# KiCad board oibus-mini-CCC_PANEL.kicad_pcb (continued)
## Routing (per net, layer and track width the routed paths; a pad name or vN(x,y) marks a point on that pad's centre or on a via; arc(x,y) is an arc through that point) (continued)
  Top w0.8: v4(38.6,33.81) 39.1,34.31 39.1,34.82 43.09,38.81 U2#2.17 ; v4(75.6,33.81) 76.1,34.31 76.1,34.82 80.09,38.81 U2#3.17 ; U2#4.17 117.09,38.81 113.1,34.82 113.1,34.31 v4(112.6,33.81) ; U2#6.17 154.09,38.81 150.1,34.82 150.1,34.31 v4(149.6,33.81) ; U2#5.17 191.09,38.81 187.1,34.82 187.1,34.31 v4(186.6,33.81) ; U2#7.17 228.09,38.81 224.1,34.82 224.1,34.31 v4(223.6,33.81) ; U2#8.17 265.09,38.81 261.1,34.82 261.1,34.31 v4(260.6,33.81) ; U2#13.17 80.09,104.81 76.1,100.82 76.1,100.31 v4(75.6,99.81) ; v4(1.6,99.81) 2.1,100.31 2.1,100.82 6.09,104.81 U2#9.17 ; U2#12.17 43.09,104.81 39.1,100.82 39.1,100.31 v4(38.6,99.81) ; U2#11.17 117.09,104.81 113.1,100.82 113.1,100.31 v4(112.6,99.81) ; U2#10.17 154.09,104.81 150.1,100.82 150.1,100.31 v4(149.6,99.81) ; U2#14.17 191.09,104.81 187.1,100.82 187.1,100.31 v4(186.6,99.81) ; U2#16.17 265.09,104.81 261.1,100.82 261.1,100.31 v4(260.6,99.81) ; U2#15.17 228.09,104.81 224.1,100.82 224.1,100.31 v4(223.6,99.81) ; U2#28.17 43.09,236.81 39.1,232.82 39.1,232.31 v4(38.6,231.81) ; U2#23.17 6.09,236.81 2.1,232.82 2.1,232.31 v4(1.6,231.81) ; v4(75.6,231.81) 76.1,232.31 76.1,232.82 80.09,236.81 U2#29.17 ; U2#27.17 117.09,236.81 113.1,232.82 113.1,232.31 v4(112.6,231.81) ; U2#26.17 154.09,236.81 150.1,232.82 150.1,232.31 v4(149.6,231.81) ; U2#30.17 191.09,236.81 187.1,232.82 187.1,232.31 v4(186.6,231.81) ; U2#21.17 80.09,170.81 76.1,166.82 76.1,166.31 v4(75.6,165.81) ; v4(1.6,165.81) 2.1,166.31 2.1,166.82 6.09,170.81 U2#17.17 ; U2#20.17 43.09,170.81 39.1,166.82 39.1,166.31 v4(38.6,165.81) ; U2#19.17 117.09,170.81 113.1,166.82 113.1,166.31 v4(112.6,165.81) ; U2#18.17 154.09,170.81 150.1,166.82 150.1,166.31 v4(149.6,165.81) ; U2#22.17 191.09,170.81 187.1,166.82 187.1,166.31 v4(186.6,165.81) ; U2#25.17 265.09,170.81 261.1,166.82 261.1,166.31 v4(260.6,165.81) ; U2#24.17 228.09,170.81 224.1,166.82 224.1,166.31 v4(223.6,165.81) ; U2#31.17 228.09,236.81 224.1,232.82 224.1,232.31 v4(223.6,231.81) ; U2#32.17 265.09,236.81 261.1,232.82 261.1,232.31 v4(260.6,231.81) ; U2.17 6.09,38.81 2.1,34.82 2.1,34.31 v4(1.6,33.81)
  Bottom w0.2: R25#2.1 R24#2.1 46.19,58.9 v2(46.1,58.81) ; 59.41,33.65 v2(58.62,32.86) ; v2(57.55,38.11) 59.65,36.01 60.36,36.01 ; v4(64.1,28.73) 64.38,29.01 v2(65.9,29.01) ; v2(67.15,30.86) 68.1,31.81 v2(68.1,32.21) ; v2(120.1,58.81) 120.19,58.9 R24#4.1 R25#4.1 ; v2(132.62,32.86) 133.41,33.65 ; R25#3.1 R24#3.1 83.19,58.9 v2(83.1,58.81) ; 96.41,33.65 v2(95.62,32.86) ; v2(94.55,38.11) 96.65,36.01 97.36,36.01 ; v4(101.1,28.73) 101.38,29.01 v2(102.9,29.01) ; v2(104.15,30.86) 105.1,31.81 v2(105.1,32.21) ; v2(131.55,38.11) 133.65,36.01 134.36,36.01 ; v4(138.1,28.73) 138.38,29.01 v2(139.9,29.01) ; v2(141.15,30.86) 142.1,31.81 v2(142.1,32.21) ; v2(169.62,32.86) 170.41,33.65 ; v2(157.1,58.81) 157.19,58.9 R24#5.1 R25#5.1 ; v2(194.1,58.81) 194.19,58.9 R24#6.1 R25#6.1 ; 207.41,33.65 v2(206.62,32.86) ; v2(178.15,30.86) 179.1,31.81 v2(179.1,32.21) ; v2(168.55,38.11) 170.65,36.01 171.36,36.01 ; v4(175.1,28.73) 175.38,29.01 v2(176.9,29.01) ; v2(215.15,30.86) 216.1,31.81 v2(216.1,32.21) ; v2(205.55,38.11) 207.65,36.01 208.36,36.01 ; v4(212.1,28.73) 212.38,29.01 v2(213.9,29.01) ; 281.41,33.65 v2(280.62,32.86) ; R25#7.1 R24#7.1 268.19,58.9 v2(268.1,58.81) ; v2(243.62,32.86) 244.41,33.65 ; v2(231.1,58.81) 231.19,58.9 R24#8.1 R25#8.1 ; v2(242.55,38.11) 244.65,36.01 245.36,36.01 ; v4(249.1,28.73) 249.38,29.01 v2(250.9,29.01) ; v2(252.15,30.86) 253.1,31.81 v2(253.1,32.21) ; v2(289.15,30.86) 290.1,31.81 v2(290.1,32.21) ; v2(279.55,38.11) 281.65,36.01 282.36,36.01 ; v4(286.1,28.73) 286.38,29.01 v2(287.9,29.01) ; v2(46.1,124.81) 46.19,124.9 R24#13.1 R25#13.1 ; v2(95.62,98.86) 96.41,99.65 ; v2(83.1,124.81) 83.19,124.9 R24#11.1 R25#11.1 ; v2(58.62,98.86) 59.41,99.65 ; R25#9.1 R24#9.1 9.19,124.9 v2(9.1,124.81) ; 22.41,99.65 v2(21.62,98.86) ; v2(20.55,104.11) 22.65,102.01 23.36,102.01 ; v4(27.1,94.73) 27.38,95.01 v2(28.9,95.01) ; v2(30.15,96.86) 31.1,97.81 v2(31.1,98.21) ; v2(120.1,124.81) 120.19,124.9 R24#12.1 R25#12.1 ; 133.41,99.65 v2(132.62,98.86) ; v2(104.15,96.86) 105.1,97.81 v2(105.1,98.21) ; v2(94.55,104.11) 96.65,102.01 97.36,102.01 ; v4(101.1,94.73) 101.38,95.01 v2(102.9,95.01) ; v2(57.55,104.11) 59.65,102.01 60.36,102.01 ; v4(64.1,94.73) 64.38,95.01 v2(65.9,95.01) ; v2(67.15,96.86) 68.1,97.81 v2(68.1,98.21) ; v2(141.15,96.86) 142.1,97.81 v2(142.1,98.21) ; v2(131.55,104.11) 133.65,102.01 134.36,102.01 ; v4(138.1,94.73) 138.38,95.01 v2(139.9,95.01) ; 207.41,99.65 v2(206.62,98.86) ; R25#10.1 R24#10.1 194.19,124.9 v2(194.1,124.81) ; v2(169.62,98.86) 170.41,99.65 ; v2(157.1,124.81) 157.19,124.9 R24#14.1 R25#14.1 ; v2(168.55,104.11) 170.65,102.01 171.36,102.01 ; v4(175.1,94.73) 175.38,95.01 v2(176.9,95.01) ; v2(178.15,96.86) 179.1,97.81 v2(179.1,98.21) ; v2(215.15,96.86) 216.1,97.81 v2(216.1,98.21) ; 281.41,99.65 v2(280.62,98.86) ; R25#15.1 R24#15.1 268.19,124.9 v2(268.1,124.81) ; v2(205.55,104.11) 207.65,102.01 208.36,102.01 ; v4(212.1,94.73) 212.38,95.01 v2(213.9,95.01) ; v2(242.55,104.11) 244.65,102.01 245.36,102.01 ; v4(249.1,94.73) 249.38,95.01 v2(250.9,95.01) ; v2(243.62,98.86) 244.41,99.65 ; v2(231.1,124.81) 231.19,124.9 R24#16.1 R25#16.1 ; v2(289.15,96.86) 290.1,97.81 v2(290.1,98.21) ; v2(252.15,96.86) 253.1,97.81 v2(253.1,98.21) ; v2(279.55,104.11) 281.65,102.01 282.36,102.01 ; v4(286.1,94.73) 286.38,95.01 v2(287.9,95.01) ; v2(20.55,236.11) 22.65,234.01 23.36,234.01 ; v4(27.1,226.73) 27.38,227.01 v2(28.9,227.01) ; v2(83.1,256.81) 83.19,256.9 R24#27.1 R25#27.1 ; v2(58.62,230.86) 59.41,231.65 ; R25#29.1 R24#29.1 46.19,256.9 v2(46.1,256.81) ; R25#23.1 R24#23.1 9.19,256.9 v2(9.1,256.81) ; 22.41,231.65 v2(21.62,230.86) ; v2(95.62,230.86) 96.41,231.65 ; v2(30.15,228.86) 31.1,229.81 v2(31.1,230.21) ; v2(104.15,228.86) 105.1,229.81 v2(105.1,230.21) ; 133.41,231.65 v2(132.62,230.86) ; R25#28.1 R24#28.1 120.19,256.9 v2(120.1,256.81) ; v2(57.55,236.11) 59.65,234.01 60.36,234.01 ; v4(64.1,226.73) 64.38,227.01 v2(65.9,227.01) ; v2(94.55,236.11) 96.65,234.01 97.36,234.01 ; v4(101.1,226.73) 101.38,227.01 v2(102.9,227.01) ; v2(67.15,228.86) 68.1,229.81 v2(68.1,230.21) ; v2(141.15,228.86) 142.1,229.81 v2(142.1,230.21) ; v2(169.62,230.86) 170.41,231.65 ; v2(157.1,256.81) 157.19,256.9 R24#30.1 R25#30.1 ; v2(194.1,256.81) 194.19,256.9 R24#26.1 R25#26.1 ; 207.41,231.65 v2(206.62,230.86) ; v2(131.55,236.11) 133.65,234.01 134.36,234.01 ; v4(138.1,226.73) 138.38,227.01 v2(139.9,227.01) ; v2(178.15,228.86) 179.1,229.81 v2(179.1,230.21) ; v2(168.55,236.11) 170.65,234.01 171.36,234.01 ; v4(175.1,226.73) 175.38,227.01 v2(176.9,227.01) ; v2(46.1,190.81) 46.19,190.9 R24#21.1 R25#21.1 ; v2(95.62,164.86) 96.41,165.65 ; v2(83.1,190.81) 83.19,190.9 R24#19.1 R25#19.1 ; v2(58.62,164.86) 59.41,165.65 ; R25#17.1 R24#17.1 9.19,190.9 v2(9.1,190.81) ; 22.41,165.65 v2(21.62,164.86) ; v2(20.55,170.11) 22.65,168.01 23.36,168.01 ; v4(27.1,160.73) 27.38,161.01 v2(28.9,161.01) ; v2(30.15,162.86) 31.1,163.81 v2(31.1,164.21) ; v2(120.1,190.81) 120.19,190.9 R24#20.1 R25#20.1 ; 133.41,165.65 v2(132.62,164.86) ; v2(104.15,162.86) 105.1,163.81 v2(105.1,164.21) ; v2(94.55,170.11) 96.65,168.01 97.36,168.01 ; v4(101.1,160.73) 101.38,161.01 v2(102.9,161.01) ; v2(57.55,170.11) 59.65,168.01 60.36,168.01 ; v4(64.1,160.73) 64.38,161.01 v2(65.9,161.01) ; v2(67.15,162.86) 68.1,163.81 v2(68.1,164.21) ; v2(141.15,162.86) 142.1,163.81 v2(142.1,164.21) ; v2(131.55,170.11) 133.65,168.01 134.36,168.01 ; v4(138.1,160.73) 138.38,161.01 v2(139.9,161.01) ; 207.41,165.65 v2(206.62,164.86) ; R25#18.1 R24#18.1 194.19,190.9 v2(194.1,190.81) ; v2(169.62,164.86) 170.41,165.65 ; v2(157.1,190.81) 157.19,190.9 R24#22.1 R25#22.1 ; v2(168.55,170.11) 170.65,168.01 171.36,168.01 ; v4(175.1,160.73) 175.38,161.01 v2(176.9,161.01) ; v2(178.15,162.86) 179.1,163.81 v2(179.1,164.21) ; v2(215.15,162.86) 216.1,163.81 v2(216.1,164.21) ; 281.41,165.65 v2(280.62,164.86) ; R25#24.1 R24#24.1 268.19,190.9 v2(268.1,190.81) ; v2(205.55,170.11) 207.65,168.01 208.36,168.01 ; v4(212.1,160.73) 212.38,161.01 v2(213.9,161.01) ; v2(242.55,170.11) 244.65,168.01 245.36,168.01 ; v4(249.1,160.73) 249.38,161.01 v2(250.9,161.01) ; v2(243.62,164.86) 244.41,165.65 ; v2(231.1,190.81) 231.19,190.9 R24#25.1 R25#25.1 ; v2(289.15,162.86) 290.1,163.81 v2(290.1,164.21) ; v2(252.15,162.86) 253.1,163.81 v2(253.1,164.21) ; v2(279.55,170.11) 281.65,168.01 282.36,168.01 ; v4(286.1,160.73) 286.38,161.01 v2(287.9,161.01) ; v2(215.15,228.86) 216.1,229.81 v2(216.1,230.21) ; v2(205.55,236.11) 207.65,234.01 208.36,234.01 ; v4(212.1,226.73) 212.38,227.01 v2(213.9,227.01) ; 281.41,231.65 v2(280.62,230.86) ; R25#31.1 R24#31.1 268.19,256.9 v2(268.1,256.81) ; v2(243.62,230.86) 244.41,231.65 ; v2(231.1,256.81) 231.19,256.9 R24#32.1 R25#32.1 ; v2(242.55,236.11) 244.65,234.01 245.36,234.01 ; v4(249.1,226.73) 249.38,227.01 v2(250.9,227.01) ; v2(252.15,228.86) 253.1,229.81 v2(253.1,230.21) ; v2(289.15,228.86) 290.1,229.81 v2(290.1,230.21) ; v2(279.55,236.11) 281.65,234.01 282.36,234.01 ; v4(286.1,226.73) 286.38,227.01 v2(287.9,227.01) ; v2(30.15,30.86) 31.1,31.81 v2(31.1,32.21) ; v2(28.9,29.01) 27.38,29.01 v4(27.1,28.73) ; 23.36,36.01 22.65,36.01 v2(20.55,38.11) ; 22.41,33.65 v2(21.62,32.86) ; v2(9.1,58.81) 9.19,58.9 R24.1 R25.1
  Bottom w0.4: v4(48.22,17.49) 49.5,16.21 v4(49.5,14.81) ; 63.78,35.81 63.58,36.01 60.36,36.01 59.5,35.14 59.5,33.85 ; 63.78,35.81 63.96,35.98 v4(65.45,35.98) ; 63.78,35.81 63.78,34.03 64,33.81 64,33.33 62.8,32.13 62.8,30.03 v4(64.1,28.73) 64,28.83 ; v4(40.6,30.61) 40.4,30.61 38.6,32.41 v4(38.6,33.81) ; v4(44.6,26.01) v4(48,26.01) ; v5(72.91,59.23) 73.4,58.73 73.4,48.22 73.2,48.02 v4(73.2,47.31) 72.49,47.31 72.29,47.11 69.59,47.11 68.69,46.21 v4(66.77,46.21) ; v4(123.5,14.81) 123.5,16.21 v4(122.22,17.49) ; v4(85.22,17.49) 86.5,16.21 v4(86.5,14.81) ; 100.78,35.81 100.58,36.01 97.36,36.01 96.5,35.14 96.5,33.85 ; 100.78,35.81 100.96,35.98 v4(102.45,35.98) ; 100.78,35.81 100.78,34.03 101,33.81 101,33.33 99.8,32.13 99.8,30.03 v4(101.1,28.73) 101,28.83 ; v4(77.6,30.61) 77.4,30.61 75.6,32.41 v4(75.6,33.81) ; v4(81.6,26.01) v4(85,26.01) ; v5(109.91,59.23) 110.4,58.73 110.4,48.22 110.2,48.02 v4(110.2,47.31) 109.49,47.31 109.29,47.11 106.59,47.11 105.69,46.21 v4(103.77,46.21) ; v4(112.6,33.81) 112.6,32.41 114.4,30.61 v4(114.6,30.61) ; 137.78,35.81 137.58,36.01 134.36,36.01 133.5,35.14 133.5,33.85 ; 137.78,35.81 137.78,34.03 138,33.81 138,33.33 136.8,32.13 136.8,30.03 v4(138.1,28.73) 138,28.83 ; 137.78,35.81 137.96,35.98 v4(139.45,35.98) ; v4(118.6,26.01) v4(122,26.01) ; v4(140.77,46.21) 142.69,46.21 143.59,47.11 146.29,47.11 146.49,47.31 v4(147.2,47.31) 147.2,48.02 147.4,48.22 147.4,58.73 v5(146.91,59.23) ; 174.78,35.81 174.58,36.01 171.36,36.01 170.5,35.14 170.5,33.85 ; 174.78,35.81 174.96,35.98 v4(176.45,35.98) ; 174.78,35.81 174.78,34.03 175,33.81 175,33.33 173.8,32.13 173.8,30.03 v4(175.1,28.73) 175,28.83 ; v4(151.6,30.61) 151.4,30.61 149.6,32.41 v4(149.6,33.81) ; v4(155.6,26.01) v4(159,26.01) ; v5(183.91,59.23) 184.4,58.73 184.4,48.22 184.2,48.02 v4(184.2,47.31) 183.49,47.31 183.29,47.11 180.59,47.11 179.69,46.21 v4(177.77,46.21) ; v4(197.5,14.81) 197.5,16.21 v4(196.22,17.49) ; v4(159.22,17.49) 160.5,16.21 v4(160.5,14.81) ; v4(214.77,46.21) 216.69,46.21 217.59,47.11 220.29,47.11 220.49,47.31 v4(221.2,47.31) 221.2,48.02 221.4,48.22 221.4,58.73 v5(220.91,59.23) ; 212,28.83 v4(212.1,28.73) 210.8,30.03 210.8,32.13 212,33.33 212,33.81 211.78,34.03 211.78,35.81 ; 211.78,35.81 211.58,36.01 208.36,36.01 207.5,35.14 207.5,33.85 ; 211.78,35.81 211.96,35.98 v4(213.45,35.98) ; v4(186.6,33.81) 186.6,32.41 188.4,30.61 v4(188.6,30.61) ; v4(192.6,26.01) v4(196,26.01) ; v4(271.5,14.81) 271.5,16.21 v4(270.22,17.49) ; v4(233.22,17.49) 234.5,16.21 v4(234.5,14.81) ; 244.5,33.85 244.5,35.14 245.36,36.01 248.58,36.01 248.78,35.81 ; v5(257.91,59.23) 258.4,58.73 258.4,48.22 258.2,48.02 v4(258.2,47.31) 257.49,47.31 257.29,47.11 254.59,47.11 253.69,46.21 v4(251.77,46.21) ; 248.78,35.81 248.96,35.98 v4(250.45,35.98) ; 248.78,35.81 248.78,34.03 249,33.81 249,33.33 247.8,32.13 247.8,30.03 v4(249.1,28.73) 249,28.83 ; v4(225.6,30.61) 225.4,30.61 223.6,32.41 v4(223.6,33.81) ; v4(229.6,26.01) v4(233,26.01) ; v4(260.6,33.81) 260.6,32.41 262.4,30.61 v4(262.6,30.61) ; 285.78,35.81 285.58,36.01 282.36,36.01 281.5,35.14 281.5,33.85 ; 285.78,35.81 285.78,34.03 286,33.81 286,33.33 284.8,32.13 284.8,30.03 v4(286.1,28.73) 286,28.83 ; 285.78,35.81 285.96,35.98 v4(287.45,35.98) ; v4(266.6,26.01) v4(270,26.01) ; v4(288.77,46.21) 290.69,46.21 291.59,47.11 294.29,47.11 294.49,47.31 v4(295.2,47.31) 295.2,48.02 295.4,48.22 295.4,58.73 v5(294.91,59.23) ; 100.78,101.81 100.58,102.01 97.36,102.01 96.5,101.14 96.5,99.85 ; 100.78,101.81 100.96,101.98 v4(102.45,101.98) ; 100.78,101.81 100.78,100.03 101,99.81 101,99.33 99.8,98.13 99.8,96.03 v4(101.1,94.73) 101,94.83 ; v4(49.5,80.81) 49.5,82.21 v4(48.22,83.49) ; v4(11.22,83.49) 12.5,82.21 v4(12.5,80.81) ; 26.78,101.81 26.58,102.01 23.36,102.01 22.5,101.14 22.5,99.85 ; 26.78,101.81 26.96,101.98 v4(28.45,101.98) ; 26.78,101.81 26.78,100.03 27,99.81 27,99.33 25.8,98.13 25.8,96.03 v4(27.1,94.73) 27,94.83 ; v4(3.6,96.61) 3.4,96.61 1.6,98.41 v4(1.6,99.81) ; v4(7.6,92.01) v4(11,92.01) ; v5(35.91,125.23) 36.4,124.73 36.4,114.22 36.2,114.02 v4(36.2,113.31) 35.49,113.31 35.29,113.11 32.59,113.11 31.69,112.21 v4(29.77,112.21) ; v4(38.6,99.81) 38.6,98.41 40.4,96.61 v4(40.6,96.61) ; v4(77.6,96.61) 77.4,96.61 75.6,98.41 v4(75.6,99.81) ; v4(81.6,92.01) v4(85,92.01) ; 63.78,101.81 63.58,102.01 60.36,102.01 59.5,101.14 59.5,99.85 ; 63.78,101.81 63.78,100.03 64,99.81 64,99.33 62.8,98.13 62.8,96.03 v4(64.1,94.73) 64,94.83 ; 63.78,101.81 63.96,101.98 v4(65.45,101.98) ; v4(44.6,92.01) v4(48,92.01) ; v5(109.91,125.23) 110.4,124.73 110.4,114.22 110.2,114.02 v4(110.2,113.31) 109.49,113.31 109.29,113.11 106.59,113.11 105.69,112.21 v4(103.77,112.21) ; v4(123.5,80.81) 123.5,82.21 v4(122.22,83.49) ; v4(85.22,83.49) 86.5,82.21 v4(86.5,80.81) ; v4(140.77,112.21) 142.69,112.21 143.59,113.11 146.29,113.11 146.49,113.31 v4(147.2,113.31) 147.2,114.02 147.4,114.22 147.4,124.73 v5(146.91,125.23) ; 138,94.83 v4(138.1,94.73) 136.8,96.03 136.8,98.13 138,99.33 138,99.81 137.78,100.03 137.78,101.81 ; 137.78,101.81 137.58,102.01 134.36,102.01 133.5,101.14 133.5,99.85 ; 137.78,101.81 137.96,101.98 v4(139.45,101.98) ; v4(112.6,99.81) 112.6,98.41 114.4,96.61 v4(114.6,96.61) ; v4(118.6,92.01) v4(122,92.01) ; v4(66.77,112.21) 68.69,112.21 69.59,113.11 72.29,113.11 72.49,113.31 v4(73.2,113.31) 73.2,114.02 73.4,114.22 73.4,124.73 v5(72.91,125.23) ; v4(197.5,80.81) 197.5,82.21 v4(196.22,83.49) ; v4(159.22,83.49) 160.5,82.21 v4(160.5,80.81) ; 170.5,99.85 170.5,101.14 171.36,102.01 174.58,102.01 174.78,101.81 ; v5(183.91,125.23) 184.4,124.73 184.4,114.22 184.2,114.02 v4(184.2,113.31) 183.49,113.31 183.29,113.11 180.59,113.11 179.69,112.21 v4(177.77,112.21) ; 174.78,101.81 174.96,101.98 v4(176.45,101.98) ; 174.78,101.81 174.78,100.03 175,99.81 175,99.33 173.8,98.13 173.8,96.03 v4(175.1,94.73) 175,94.83 ; v4(151.6,96.61) 151.4,96.61 149.6,98.41 v4(149.6,99.81) ; v4(155.6,92.01) v4(159,92.01) ; v4(186.6,99.81) 186.6,98.41 188.4,96.61 v4(188.6,96.61) ; 211.78,101.81 211.58,102.01 208.36,102.01 207.5,101.14 207.5,99.85 ; 211.78,101.81 211.78,100.03 212,99.81 212,99.33 210.8,98.13 210.8,96.03 v4(212.1,94.73) 212,94.83 ; 211.78,101.81 211.96,101.98 v4(213.45,101.98) ; v4(192.6,92.01) v4(196,92.01) ; v4(214.77,112.21) 216.69,112.21 217.59,113.11 220.29,113.11 220.49,113.31 v4(221.2,113.31) 221.2,114.02 221.4,114.22 221.4,124.73 v5(220.91,125.23) ; v4(234.5,80.81) 234.5,82.21 v4(233.22,83.49) ; v4(271.5,80.81) 271.5,82.21 v4(270.22,83.49) ; v4(288.77,112.21) 290.69,112.21 291.59,113.11 294.29,113.11 294.49,113.31 v4(295.2,113.31) 295.2,114.02 295.4,114.22 295.4,124.73 v5(294.91,125.23) ; 286,94.83 v4(286.1,94.73) 284.8,96.03 284.8,98.13 286,99.33 286,99.81 285.78,100.03 285.78,101.81 ; 285.78,101.81 285.58,102.01 282.36,102.01 281.5,101.14 281.5,99.85 ; 285.78,101.81 285.96,101.98 v4(287.45,101.98) ; v4(251.77,112.21) 253.69,112.21 254.59,113.11 257.29,113.11 257.49,113.31 v4(258.2,113.31) 258.2,114.02 258.4,114.22 258.4,124.73 v5(257.91,125.23) ; 249,94.83 v4(249.1,94.73) 247.8,96.03 247.8,98.13 249,99.33 249,99.81 248.78,100.03 248.78,101.81 ; 248.78,101.81 248.96,101.98 v4(250.45,101.98) ; 248.78,101.81 248.58,102.01 245.36,102.01 244.5,101.14 244.5,99.85 ; v4(260.6,99.81) 260.6,98.41 262.4,96.61 v4(262.6,96.61) ; v4(266.6,92.01) v4(270,92.01) ; v4(225.6,96.61) 225.4,96.61 223.6,98.41 v4(223.6,99.81) ; v4(229.6,92.01) v4(233,92.01) ; v4(38.6,231.81) 38.6,230.41 40.4,228.61 v4(40.6,228.61) ; v4(77.6,228.61) 77.4,228.61 75.6,230.41 v4(75.6,231.81) ; v4(81.6,224.01) v4(85,224.01) ; 63.78,233.81 63.58,234.01 60.36,234.01 59.5,233.14 59.5,231.85 ; 63.78,233.81 63.96,233.98 v4(65.45,233.98) ; 63.78,233.81 63.78,232.03 64,231.81 64,231.33 62.8,230.13 62.8,228.03 v4(64.1,226.73) 64,226.83 ; v4(44.6,224.01) v4(48,224.01) ; v4(28.45,233.98) 26.96,233.98 26.78,233.81 ; 26.78,233.81 26.58,234.01 23.36,234.01 22.5,233.14 22.5,231.85 ; 26.78,233.81 26.78,232.03 27,231.81 27,231.33 25.8,230.13 25.8,228.03 v4(27.1,226.73) 27,226.83 ; v5(35.91,257.23) 36.4,256.73 36.4,246.22 36.2,246.02 v4(36.2,245.31) 35.49,245.31 35.29,245.11 32.59,245.11 31.69,244.21 v4(29.77,244.21) ; v4(3.6,228.61) 3.4,228.61 1.6,230.41 v4(1.6,231.81) ; v4(7.6,224.01) v4(11,224.01) ; v4(49.5,212.81) 49.5,214.21 v4(48.22,215.49) ; v4(11.22,215.49) 12.5,214.21 v4(12.5,212.81) ; 100.78,233.81 100.58,234.01 97.36,234.01 96.5,233.14 96.5,231.85 ; 100.78,233.81 100.96,233.98 v4(102.45,233.98) ; 100.78,233.81 100.78,232.03 101,231.81 101,231.33 99.8,230.13 99.8,228.03 v4(101.1,226.73) 101,226.83 ; v4(86.5,212.81) 86.5,214.21 v4(85.22,215.49) ; v4(123.5,212.81) 123.5,214.21 v4(122.22,215.49) ; v5(109.91,257.23) 110.4,256.73 110.4,246.22 110.2,246.02 v4(110.2,245.31) 109.49,245.31 109.29,245.11 106.59,245.11 105.69,244.21 v4(103.77,244.21) ; v4(66.77,244.21) 68.69,244.21 69.59,245.11 72.29,245.11 72.49,245.31 v4(73.2,245.31) 73.2,246.02 73.4,246.22 73.4,256.73 v5(72.91,257.23) ; v4(112.6,231.81) 112.6,230.41 114.4,228.61 v4(114.6,228.61) ; 137.78,233.81 137.58,234.01 134.36,234.01 133.5,233.14 133.5,231.85 ; 137.78,233.81 137.78,232.03 138,231.81 138,231.33 136.8,230.13 136.8,228.03 v4(138.1,226.73) 138,226.83 ; 137.78,233.81 137.96,233.98 v4(139.45,233.98) ; v4(118.6,224.01) v4(122,224.01) ; v4(140.77,244.21) 142.69,244.21 143.59,245.11 146.29,245.11 146.49,245.31 v4(147.2,245.31) 147.2,246.02 147.4,246.22 147.4,256.73 v5(146.91,257.23) ; v4(155.6,224.01) v4(159,224.01) ; v4(149.6,231.81) 149.6,230.41 151.4,228.61 v4(151.6,228.61) ; 170.5,231.85 170.5,233.14 171.36,234.01 174.58,234.01 174.78,233.81 ; v5(183.91,257.23) 184.4,256.73 184.4,246.22 184.2,246.02 v4(184.2,245.31) 183.49,245.31 183.29,245.11 180.59,245.11 179.69,244.21 v4(177.77,244.21) ; 174.78,233.81 174.78,232.03 175,231.81 175,231.33 173.8,230.13 173.8,228.03 v4(175.1,226.73) 175,226.83 ; 174.78,233.81 174.96,233.98 v4(176.45,233.98) ; v4(159.22,215.49) 160.5,214.21 v4(160.5,212.81) ; v4(197.5,212.81) 197.5,214.21 v4(196.22,215.49) ; v4(214.77,244.21) 216.69,244.21 217.59,245.11 220.29,245.11 220.49,245.31 v4(221.2,245.31) 221.2,246.02 221.4,246.22 221.4,256.73 v5(220.91,257.23) ; 212,226.83 v4(212.1,226.73) 210.8,228.03 210.8,230.13 212,231.33 212,231.81 211.78,232.03 211.78,233.81 ; 211.78,233.81 211.58,234.01 208.36,234.01 207.5,233.14 207.5,231.85 ; 211.78,233.81 211.96,233.98 v4(213.45,233.98) ; v4(186.6,231.81) 186.6,230.41 188.4,228.61 v4(188.6,228.61) ; v4(192.6,224.01) v4(196,224.01) ; 100.78,167.81 100.58,168.01 97.36,168.01 96.5,167.14 96.5,165.85 ; 100.78,167.81 100.96,167.98 v4(102.45,167.98) ; 100.78,167.81 100.78,166.03 101,165.81 101,165.33 99.8,164.13 99.8,162.03 v4(101.1,160.73) 101,160.83 ; v4(49.5,146.81) 49.5,148.21 v4(48.22,149.49) ; v4(11.22,149.49) 12.5,148.21 v4(12.5,146.81) ; 26.78,167.81 26.58,168.01 23.36,168.01 22.5,167.14 22.5,165.85 ; 26.78,167.81 26.96,167.98 v4(28.45,167.98) ; 26.78,167.81 26.78,166.03 27,165.81 27,165.33 25.8,164.13 25.8,162.03 v4(27.1,160.73) 27,160.83 ; v4(3.6,162.61) 3.4,162.61 1.6,164.41 v4(1.6,165.81) ; v4(7.6,158.01) v4(11,158.01) ; v5(35.91,191.23) 36.4,190.73 36.4,180.22 36.2,180.02 v4(36.2,179.31) 35.49,179.31 35.29,179.11 32.59,179.11 31.69,178.21 v4(29.77,178.21) ; v4(38.6,165.81) 38.6,164.41 40.4,162.61 v4(40.6,162.61) ; v4(77.6,162.61) 77.4,162.61 75.6,164.41 v4(75.6,165.81) ; v4(81.6,158.01) v4(85,158.01) ; 63.78,167.81 63.58,168.01 60.36,168.01 59.5,167.14 59.5,165.85 ; 63.78,167.81 63.78,166.03 64,165.81 64,165.33 62.8,164.13 62.8,162.03 v4(64.1,160.73) 64,160.83 ; 63.78,167.81 63.96,167.98 v4(65.45,167.98) ; v4(44.6,158.01) v4(48,158.01) ; v5(109.91,191.23) 110.4,190.73 110.4,180.22 110.2,180.02 v4(110.2,179.31) 109.49,179.31 109.29,179.11 106.59,179.11 105.69,178.21 v4(103.77,178.21) ; v4(123.5,146.81) 123.5,148.21 v4(122.22,149.49) ; v4(85.22,149.49) 86.5,148.21 v4(86.5,146.81) ; v4(140.77,178.21) 142.69,178.21 143.59,179.11 146.29,179.11 146.49,179.31 v4(147.2,179.31) 147.2,180.02 147.4,180.22 147.4,190.73 v5(146.91,191.23) ; 138,160.83 v4(138.1,160.73) 136.8,162.03 136.8,164.13 138,165.33 138,165.81 137.78,166.03 137.78,167.81 ; 137.78,167.81 137.58,168.01 134.36,168.01 133.5,167.14 133.5,165.85 ; 137.78,167.81 137.96,167.98 v4(139.45,167.98) ; v4(112.6,165.81) 112.6,164.41 114.4,162.61 v4(114.6,162.61) ; v4(118.6,158.01) v4(122,158.01) ; v4(66.77,178.21) 68.69,178.21 69.59,179.11 72.29,179.11 72.49,179.31 v4(73.2,179.31) 73.2,180.02 73.4,180.22 73.4,190.73 v5(72.91,191.23) ; v4(197.5,146.81) 197.5,148.21 v4(196.22,149.49) ; v4(159.22,149.49) 160.5,148.21 v4(160.5,146.81) ; 170.5,165.85 170.5,167.14 171.36,168.01 174.58,168.01 174.78,167.81 ; v5(183.91,191.23) 184.4,190.73 184.4,180.22 184.2,180.02 v4(184.2,179.31) 183.49,179.31 183.29,179.11 180.59,179.11 179.69,178.21 v4(177.77,178.21) ; 174.78,167.81 174.96,167.98 v4(176.45,167.98) ; 174.78,167.81 174.78,166.03 175,165.81 175,165.33 173.8,164.13 173.8,162.03 v4(175.1,160.73) 175,160.83 ; v4(151.6,162.61) 151.4,162.61 149.6,164.41 v4(149.6,165.81) ; v4(155.6,158.01) v4(159,158.01) ; v4(186.6,165.81) 186.6,164.41 188.4,162.61 v4(188.6,162.61) ; 211.78,167.81 211.58,168.01 208.36,168.01 207.5,167.14 207.5,165.85 ; 211.78,167.81 211.78,166.03 212,165.81 212,165.33 210.8,164.13 210.8,162.03 v4(212.1,160.73) 212,160.83 ; 211.78,167.81 211.96,167.98 v4(213.45,167.98) ; v4(192.6,158.01) v4(196,158.01) ; v4(214.77,178.21) 216.69,178.21 217.59,179.11 220.29,179.11 220.49,179.31 v4(221.2,179.31) 221.2,180.02 221.4,180.22 221.4,190.73 v5(220.91,191.23) ; v4(234.5,146.81) 234.5,148.21 v4(233.22,149.49) ; v4(271.5,146.81) 271.5,148.21 v4(270.22,149.49) ; v4(288.77,178.21) 290.69,178.21 291.59,179.11 294.29,179.11 294.49,179.31 v4(295.2,179.31) 295.2,180.02 295.4,180.22 295.4,190.73 v5(294.91,191.23) ; 286,160.83 v4(286.1,160.73) 284.8,162.03 284.8,164.13 286,165.33 286,165.81 285.78,166.03 285.78,167.81 ; 285.78,167.81 285.58,168.01 282.36,168.01 281.5,167.14 281.5,165.85 ; 285.78,167.81 285.96,167.98 v4(287.45,167.98) ; v4(251.77,178.21) 253.69,178.21 254.59,179.11 257.29,179.11 257.49,179.31 v4(258.2,179.31) 258.2,180.02 258.4,180.22 258.4,190.73 v5(257.91,191.23) ; 249,160.83 v4(249.1,160.73) 247.8,162.03 247.8,164.13 249,165.33 249,165.81 248.78,166.03 248.78,167.81 ; 248.78,167.81 248.96,167.98 v4(250.45,167.98) ; 248.78,167.81 248.58,168.01 245.36,168.01 244.5,167.14 244.5,165.85 ; v4(260.6,165.81) 260.6,164.41 262.4,162.61 v4(262.6,162.61) ; v4(266.6,158.01) v4(270,158.01) ; v4(225.6,162.61) 225.4,162.61 223.6,164.41 v4(223.6,165.81) ; v4(229.6,158.01) v4(233,158.01) ; v4(271.5,212.81) 271.5,214.21 v4(270.22,215.49) ; v4(233.22,215.49) 234.5,214.21 v4(234.5,212.81) ; 244.5,231.85 244.5,233.14 245.36,234.01 248.58,234.01 248.78,233.81 ; v5(257.91,257.23) 258.4,256.73 258.4,246.22 258.2,246.02 v4(258.2,245.31) 257.49,245.31 257.29,245.11 254.59,245.11 253.69,244.21 v4(251.77,244.21) ; v4(229.6,224.01) v4(233,224.01) ; v4(223.6,231.81) 223.6,230.41 225.4,228.61 v4(225.6,228.61) ; 248.78,233.81 248.96,233.98 v4(250.45,233.98) ; 248.78,233.81 248.78,232.03 249,231.81 249,231.33 247.8,230.13 247.8,228.03 v4(249.1,226.73) 249,226.83 ; v4(266.6,224.01) v4(270,224.01) ; v4(260.6,231.81) 260.6,230.41 262.4,228.61 v4(262.6,228.61) ; 285.78,233.81 285.58,234.01 282.36,234.01 281.5,233.14 281.5,231.85 ; 285.78,233.81 285.78,232.03 286,231.81 286,231.33 284.8,230.13 284.8,228.03 v4(286.1,226.73) 286,226.83 ; 285.78,233.81 285.96,233.98 v4(287.45,233.98) ; v4(288.77,244.21) 290.69,244.21 291.59,245.11 294.29,245.11 294.49,245.31 v4(295.2,245.31) 295.2,246.02 295.4,246.22 295.4,256.73 v5(294.91,257.23) ; 26.78,35.81 26.96,35.98 v4(28.45,35.98) ; 26.78,35.81 26.78,34.03 27,33.81 27,33.33 25.8,32.13 25.8,30.03 v4(27.1,28.73) 27,28.83 ; 26.78,35.81 26.58,36.01 23.36,36.01 22.5,35.14 22.5,33.85 ; v4(7.6,26.01) v4(11,26.01) ; v4(29.77,46.21) 31.69,46.21 32.59,47.11 35.29,47.11 35.49,47.31 v4(36.2,47.31) 36.2,48.02 36.4,48.22 36.4,58.73 v5(35.91,59.23) ; v4(11.22,17.49) 12.5,16.21 v4(12.5,14.81) ; v4(3.6,30.61) 3.4,30.61 1.6,32.41 v4(1.6,33.81)
  Bottom w0.8: v4(57.8,25.41) 57.8,23.08 60.07,20.81 61.43,20.81 62.64,22.02 v4(62.64,23.01) ; v4(131.8,25.41) 131.8,23.08 134.07,20.81 135.43,20.81 136.64,22.02 v4(136.64,23.01) ; v4(94.8,25.41) 94.8,23.08 97.07,20.81 98.43,20.81 99.64,22.02 v4(99.64,23.01) ; v4(168.8,25.41) 168.8,23.08 171.07,20.81 172.43,20.81 173.64,22.02 v4(173.64,23.01) ; v4(205.8,25.41) 205.8,23.08 208.07,20.81 209.43,20.81 210.64,22.02 v4(210.64,23.01) ; v4(279.8,25.41) 279.8,23.08 282.07,20.81 283.43,20.81 284.64,22.02 v4(284.64,23.01) ; v4(242.8,25.41) 242.8,23.08 245.07,20.81 246.43,20.81 247.64,22.02 v4(247.64,23.01) ; v4(94.8,91.41) 94.8,89.08 97.07,86.81 98.43,86.81 99.64,88.02 v4(99.64,89.01) ; v4(57.8,91.41) 57.8,89.08 60.07,86.81 61.43,86.81 62.64,88.02 v4(62.64,89.01) ; v4(20.8,91.41) 20.8,89.08 23.07,86.81 24.43,86.81 25.64,88.02 v4(25.64,89.01) ; v4(131.8,91.41) 131.8,89.08 134.07,86.81 135.43,86.81 136.64,88.02 v4(136.64,89.01) ; v4(205.8,91.41) 205.8,89.08 208.07,86.81 209.43,86.81 210.64,88.02 v4(210.64,89.01) ; v4(168.8,91.41) 168.8,89.08 171.07,86.81 172.43,86.81 173.64,88.02 v4(173.64,89.01) ; v4(279.8,91.41) 279.8,89.08 282.07,86.81 283.43,86.81 284.64,88.02 v4(284.64,89.01) ; v4(247.64,89.01) 247.64,88.02 246.43,86.81 245.07,86.81 242.8,89.08 v4(242.8,91.41) ; v4(20.8,223.41) 20.8,221.08 23.07,218.81 24.43,218.81 25.64,220.02 v4(25.64,221.01) ; v4(94.8,223.41) 94.8,221.08 97.07,218.81 98.43,218.81 99.64,220.02 v4(99.64,221.01) ; v4(57.8,223.41) 57.8,221.08 60.07,218.81 61.43,218.81 62.64,220.02 v4(62.64,221.01) ; v4(131.8,223.41) 131.8,221.08 134.07,218.81 135.43,218.81 136.64,220.02 v4(136.64,221.01) ; v4(168.8,223.41) 168.8,221.08 171.07,218.81 172.43,218.81 173.64,220.02 v4(173.64,221.01) ; v4(205.8,223.41) 205.8,221.08 208.07,218.81 209.43,218.81 210.64,220.02 v4(210.64,221.01) ; v4(94.8,157.41) 94.8,155.08 97.07,152.81 98.43,152.81 99.64,154.02 v4(99.64,155.01) ; v4(57.8,157.41) 57.8,155.08 60.07,152.81 61.43,152.81 62.64,154.02 v4(62.64,155.01) ; v4(20.8,157.41) 20.8,155.08 23.07,152.81 24.43,152.81 25.64,154.02 v4(25.64,155.01) ; v4(131.8,157.41) 131.8,155.08 134.07,152.81 135.43,152.81 136.64,154.02 v4(136.64,155.01) ; v4(205.8,157.41) 205.8,155.08 208.07,152.81 209.43,152.81 210.64,154.02 v4(210.64,155.01) ; v4(168.8,157.41) 168.8,155.08 171.07,152.81 172.43,152.81 173.64,154.02 v4(173.64,155.01) ; v4(279.8,157.41) 279.8,155.08 282.07,152.81 283.43,152.81 284.64,154.02 v4(284.64,155.01) ; v4(247.64,155.01) 247.64,154.02 246.43,152.81 245.07,152.81 242.8,155.08 v4(242.8,157.41) ; v4(279.8,223.41) 279.8,221.08 282.07,218.81 283.43,218.81 284.64,220.02 v4(284.64,221.01) ; v4(242.8,223.41) 242.8,221.08 245.07,218.81 246.43,218.81 247.64,220.02 v4(247.64,221.01) ; v4(25.64,23.01) 25.64,22.02 24.43,20.81 23.07,20.81 20.8,23.08 v4(20.8,25.41)
